# Altium PCB LimeSDR-Micro_1v0.PcbDoc (part 5 of 8) (continued)
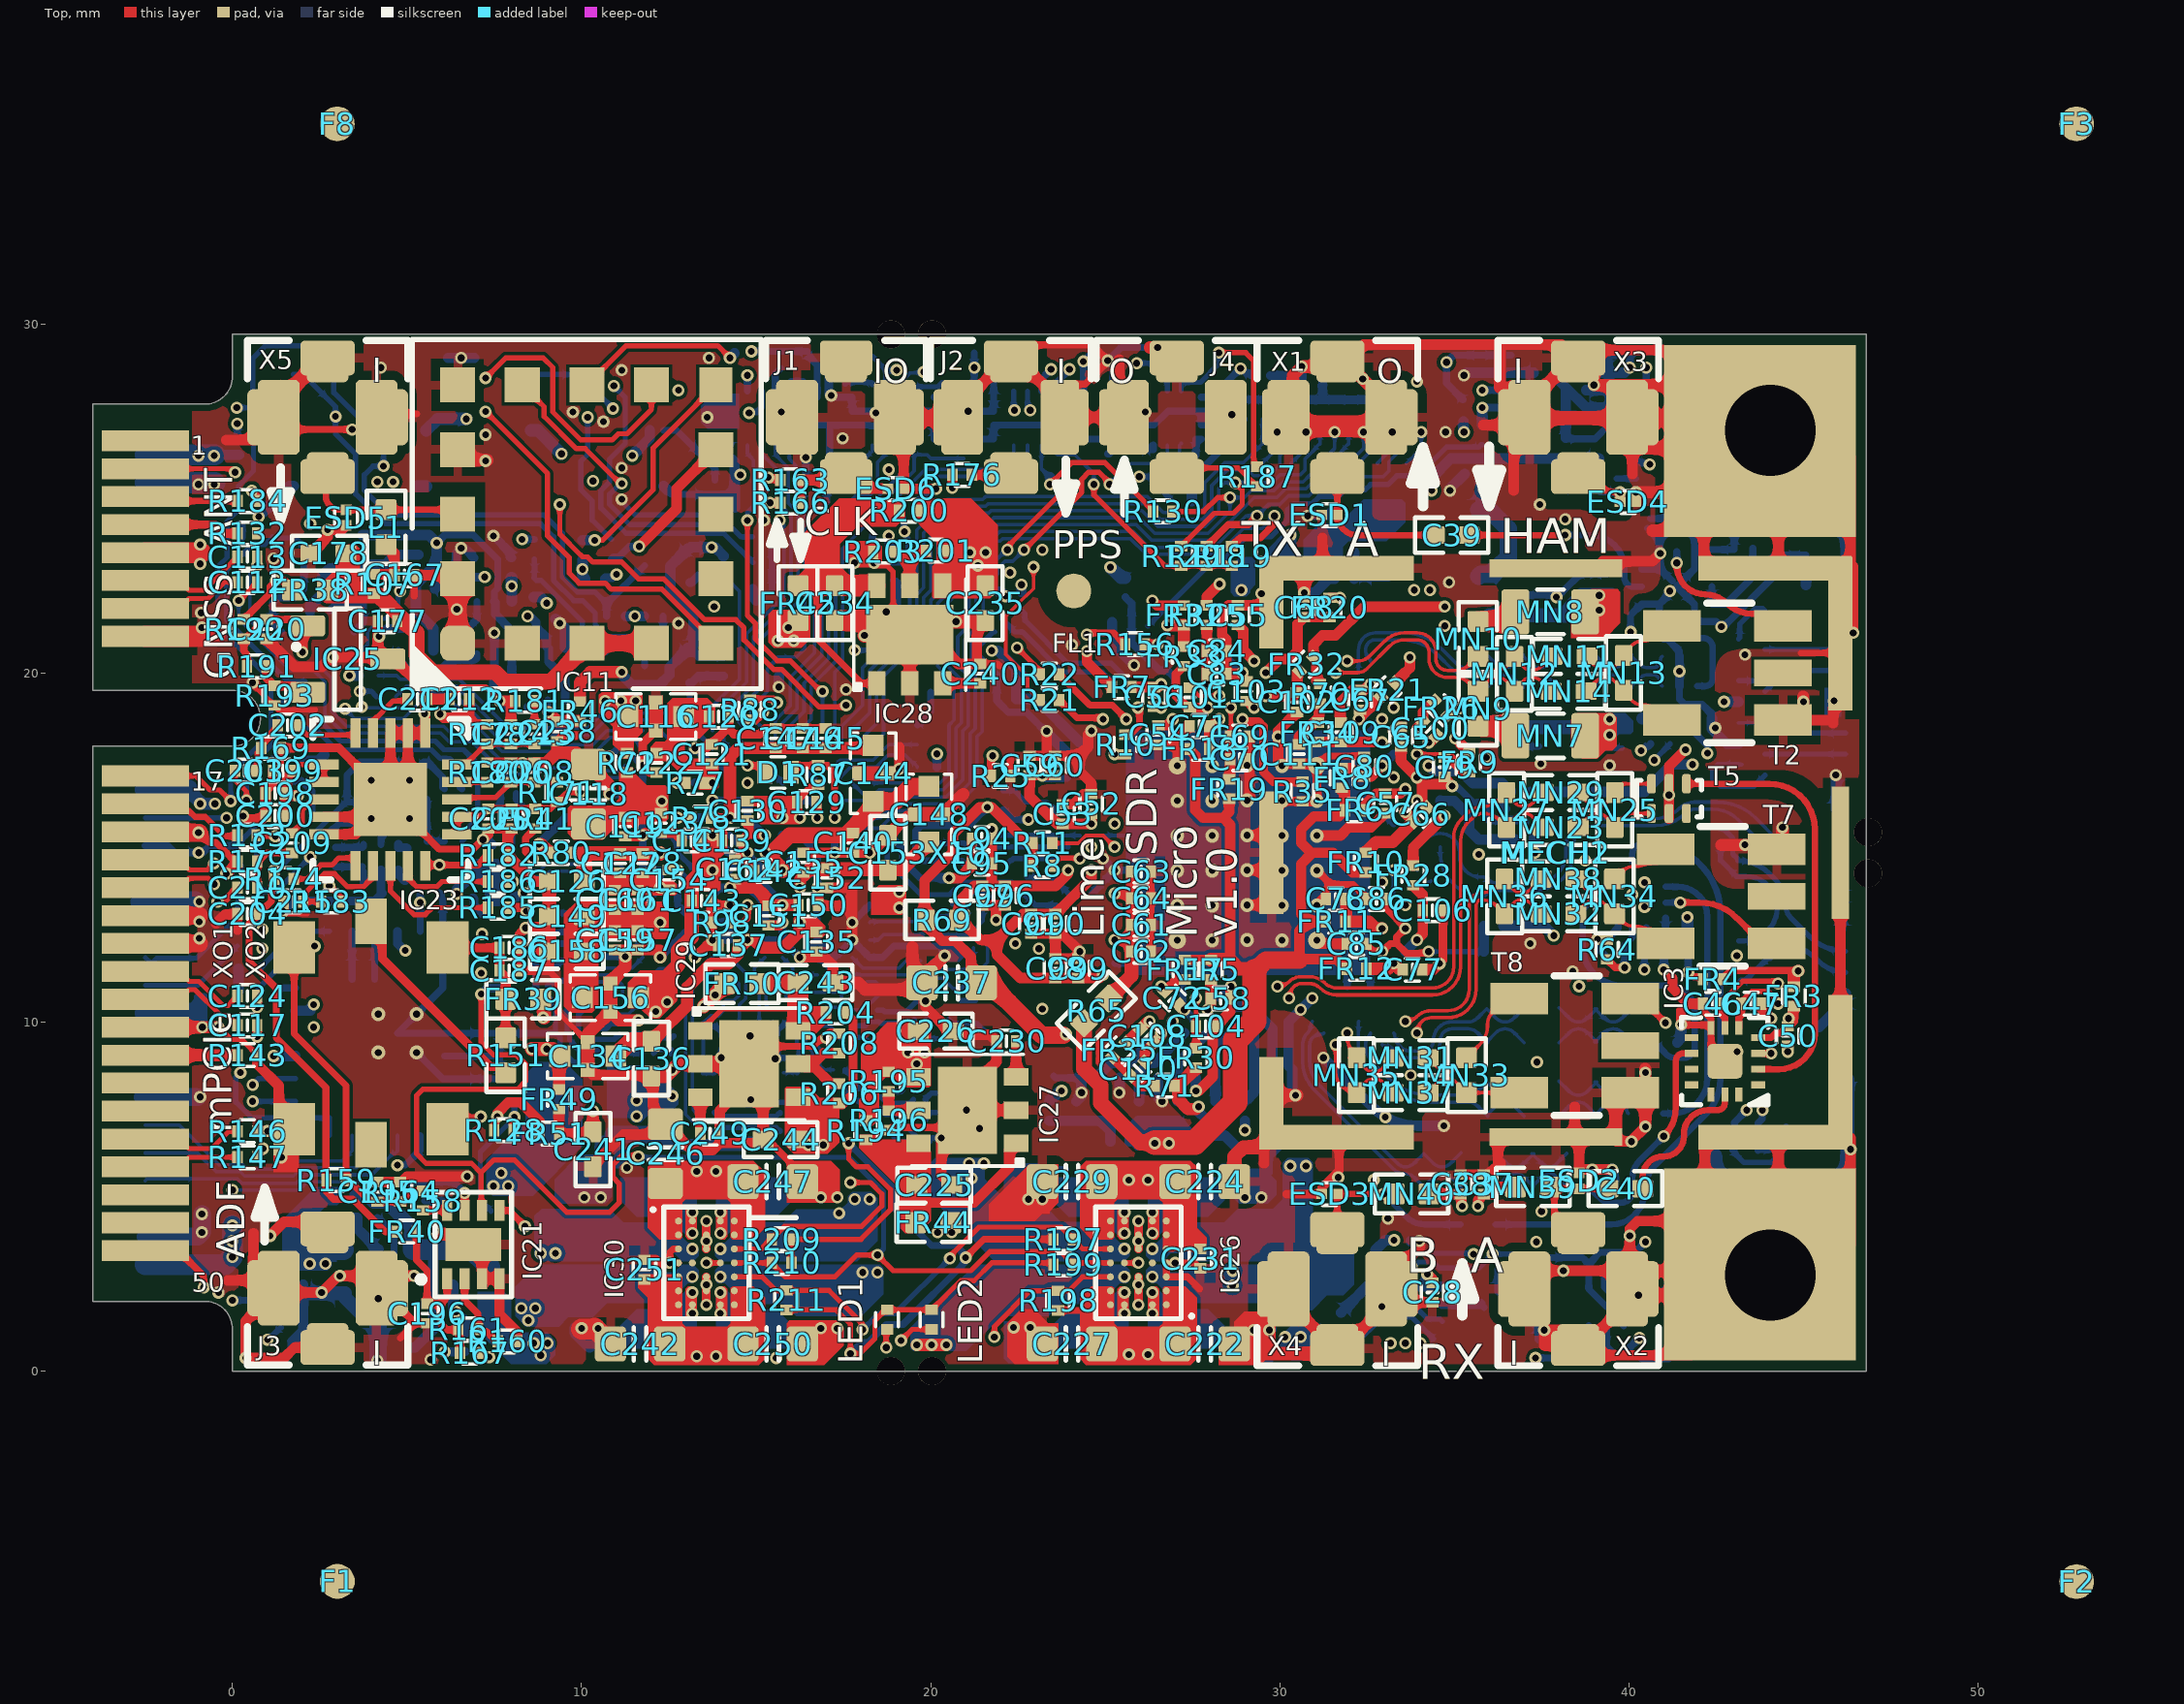
[diagram p0: Top view]
## Nets (pads, with @x,y where several pads share a name; then routed paths per layer and width w, separated by ;. In a path a pad name is that pad's centre, name@x,y a point inside that pad or via, vN(x,y) a via of type N, cw(c..) or ccw(c..) an arc to the next point about the centre after c; other vN are vias at no path point) (continued)
LA_TX_I_P: C1.2 C2.2 IC6.A7 R1.2 R2.1 | length 4
  Bottom w0.1: C2.2@13.835,8.55 13.81,8.525 R1.2@13.46,8.525 13.485,8.55 R2.1@13.485,9.9 13.51,9.925 13.51,9.99 13.698,10.177 13.919,10.177 14.065,10.322 14.065,10.54 14.138,10.613 14.355,10.613 14.5,10.758 14.5,11.101 IC6.A7@14.251,11.35
LA_TX_Q_N: C5.1 C6.1 IC6.B9 R18.1 R19.2 | length 4
  Bottom w0.1: IC6.B9@15.251,11.85 14.951,11.55 14.951,11.199 15.085,11.065 R18.1@15.085,9.975 15.085,9.925 15.11,9.9 15.11,9.835 15.15,9.795 15.15,9.375 15.035,9.26 C6.1@15.035,8.975 15.035,8.55 15.06,8.525 R19.2@15.085,8.525 15.11,8.55 C5.1@15.46,8.55
LA_TX_Q_P: C4.2 C5.2 IC6.A9 R14.2 R16.1 | length 3.9
  Bottom w0.1: IC6.A9@15.251,11.35 15.285,11.316 15.285,10.49 15.4,10.375 15.875,10.375 16.165,10.085 R16.1@16.165,9.975 16.165,9.385 16.215,9.335 C4.2@16.215,8.975 16.215,8.55 16.19,8.525 R14.2@16.165,8.525 16.14,8.55 C5.2@15.79,8.55
LED_WLAN#: IC15.19 X10.44 | length 7.6
  Bottom w0.1: X10.44@-2.5,6.25 -1.008,6.25 -0.469,5.711 0.217,5.711 0.342,5.586 1.746,5.586 1.984,5.825 3.55,5.825 3.95,6.225 3.961,6.225 4.075,6.339 IC15.19@4.075,6.75
LED_WPAN#: IC15.18 X10.46 | length 8.1
  Bottom w0.1: X10.46@-2.5,5.45 -2.438,5.511 0.135,5.511 0.26,5.386 1.828,5.386 2.067,5.625 3.99,5.625 4.59,6.225 4.65,6.225 4.725,6.3 IC15.18@4.725,6.75
LED_WWAN#: IC15.20 X10.42 | length 7.1
  Bottom w0.1: X10.42@-2.5,7.05 -1.525,7.05 -0.386,5.911 0.3,5.911 0.425,5.786 1.663,5.786 1.901,6.025 3.15,6.025 3.325,6.2 3.325,6.211 3.425,6.311 IC15.20@3.425,6.75
LMS_BB_DRV1A_N: C8.1 R27.2 | length 0.3
  Bottom w0.15: R27.2@11.405,9.65 C8.1@11.725,9.65
LMS_BB_DRV1A_P: C12.1 R33.2 | length 0.3
  Bottom w0.15: R33.2@11.405,9.1 C12.1@11.725,9.1
LMS_BB_DRV1AC_N: C9.1 C10.1 R27.1 R28.2 R29.1 | length 2.1
  Bottom w0.15: R28.2@10.125,10.42 9.915,10.21 C10.1@9.915,10 9.915,9.68 10.085,9.51 R29.1@10.25,9.51 10.935,9.51 11.043,9.618 11.075,9.618 R27.1@11.075,9.65
LMS_BB_DRV1AC_P: C10.2 C11.2 R32.2 R33.1 R34.2 | length 2.6
  Bottom w0.15: R34.2@9.585,10.42 C10.2@9.585,10 9.585,9.74 9.665,9.66 9.665,9.482 9.71,9.437 C11.2@9.71,9.405 9.71,9.372 9.742,9.372 9.925,9.19 R32.2@10.075,9.19 10.485,9.19 10.575,9.1 R33.1@11.075,9.1
LMS_BB_DRV1B_N: C13.1 R36.2 | length 0.3
  Bottom w0.15: R36.2@16.015,6.865 C13.1@16.335,6.865
LMS_BB_DRV1B_P: C17.1 R41.2 | length 0.3
  Bottom w0.15: R41.2@16.015,7.415 C17.1@16.335,7.415
LMS_BB_DRV1BC_N: C14.1 C15.1 R36.1 R37.2 R38.1 | length 2
  Bottom w0.15: R37.2@13.79,6.865 13.9,6.975 14.55,6.975 C14.1@14.725,6.975 R38.1@15.25,6.975 15.575,6.975 15.652,6.897 15.685,6.897 R36.1@15.685,6.865
LMS_BB_DRV1BC_P: C15.2 C16.2 R40.2 R41.1 R42.2 | length 2
  Bottom w0.15: R42.2@13.79,7.415 13.9,7.305 C15.2@14.15,7.305 C16.2@14.725,7.305 R40.2@15.275,7.305 15.575,7.305 15.652,7.382 15.685,7.382 R41.1@15.685,7.415
LMS_BB_DRV2A_N: C18.1 R43.2 | length 0.4
  Bottom w0.15: R43.2@19.84,7.785 20.015,7.96 C18.1@20.16,7.96
LMS_BB_DRV2A_P: C22.1 R48.2 | length 0.4
  Bottom w0.15: R48.2@19.84,7.235 20.015,7.41 C22.1@20.16,7.41
LMS_BB_DRV2AC_N: C19.1 C20.1 R43.1 R44.2 R45.1 | length 2.6
  Bottom w0.15: R44.2@17.54,8.635 17.54,8.603 17.572,8.603 17.905,8.27 17.905,8.09 C20.1@17.925,8.09 18.035,8.09 18.275,7.85 R45.1@18.375,7.85 18.575,7.85 18.75,7.675 C19.1@18.95,7.675 19.4,7.675 19.477,7.752 19.51,7.752 R43.1@19.51,7.785
LMS_BB_DRV2AC_P: C20.2 C21.2 R47.2 R48.1 R49.2 | length 2.4
  Bottom w0.15: R49.2@17.54,8.085 17.54,7.989 17.769,7.76 C20.2@17.925,7.76 18.165,7.52 R47.2@18.375,7.52 18.53,7.52 18.705,7.345 C21.2@18.95,7.345 19.4,7.345 19.477,7.267 19.51,7.267 R48.1@19.51,7.235
LMS_BB_DRV2B_N: C23.1 R50.2 | length 0.3
  Bottom w0.15: R50.2@19.865,9.525 C23.1@20.185,9.525
LMS_BB_DRV2B_P: C27.1 R57.2 | length 0.3
  Bottom w0.15: R57.2@19.865,10.075 C27.1@20.185,10.075
LMS_BB_DRV2BC_N: C24.1 C25.1 R50.1 R51.2 R52.1 | length 2
  Bottom w0.15: R51.2@17.74,9.45 17.85,9.56 C25.1@18.1,9.56 18.22,9.44 R52.1@18.475,9.44 18.507,9.44 18.703,9.635 C24.1@18.988,9.635 19.425,9.635 19.503,9.557 19.535,9.557 R50.1@19.535,9.525
LMS_BB_DRV2BC_P: C25.2 C26.2 R56.2 R57.1 R58.2 | length 2
  Bottom w0.15: R58.2@17.74,10 17.85,9.89 C25.2@18.1,9.89 18.133,9.89 18.133,9.922 18.22,10.01 R56.2@18.475,10.01 18.507,10.01 18.553,9.965 C26.2@18.988,9.965 19.425,9.965 19.503,10.042 19.535,10.042 R57.1@19.535,10.075
LMS_CLK: IC1.AM24 IC1.E5 R156.2 | length 23.8
  Top w0.25: R156.2@26.13,20.825 v1(26.505,20.825)
  L3 w0.1: 25.519,18.081 25.925,17.675 cw(c24.476,16.226) 26.525,16.226 26.525,12.208 ccw(c27.208,12.208) 26.725,11.725 cw(c26.217,11.217) 26.935,11.217 v1(26.935,10.017) ; 25.519,18.081 cw(c26.138,18.7) 25.262,18.7 25.262,18.997 ccw(c24.235,18.997) 24.235,20.025 cw(c24.235,20.535) 23.725,20.535 23.725,21.15 cw(c24.25,21.15) 24.25,21.675 24.9,21.675 cw(c24.9,21.25) 25.325,21.25 25.325,21.2 ccw(c25.7,21.2) 25.7,20.825 v1(26.505,20.825) v1@26.53,20.825
  L6 w0.1: v1@26.53,20.825 cw(c26.53,18.483) 28.186,20.139 28.475,19.85 ccw(c28.88,20.255) 28.88,19.682 29.988,19.682 cw(c29.988,18.463) 30.85,19.325 ccw(c31.615,20.09) 31.615,19.008 v1(33.263,19.008)
LMS_CORE_LDO_EN: IC1.U33 R13.1 R15.2 | length 3.9
  Bottom w0.15: R15.2@20.075,15.125 20.945,15.125 R13.1@20.95,15.12 21.058,15.012 23.443,15.012 23.46,15.029 23.921,15.029 IC1.U33@23.938,15.012
LMS_I2C_SCL: IC1.C27 IC2.6 R26.2 R54.1 | length 38.3
  L4 w0.1: v1(22.425,12.25) 22.625,12.05 22.625,9.55 23.5,8.675 24.167,8.675 24.775,8.067 24.775,7.792 25.167,7.4 26.175,7.4 26.4,7.175 26.662,7.175 27.2,6.637 27.2,5.617 27.625,5.192 27.625,1.917 28.067,1.475 29.108,1.475 30.608,2.975 33.9,2.975 34.075,3.15 34.725,3.15 34.9,2.975 35.717,2.975 v1(36.1,3.358)
  L6 w0.1: v1(22.425,12.25) 22.425,14.175 23.775,15.525 23.775,16 24.6,16.825 24.6,17.725 25.262,18.387 25.262,19 v2(25.936,19.674)
  Bottom w0.15: R54.1@33.844,1.864 33.5,2.208 33.5,2.652 33.973,3.125 34.395,3.125 34.57,2.95 35.7,2.95 36,3.25 36,3.358 36.008,3.35 37.12,3.35 37.195,3.275 R26.2@37.195,3.25 ; R54.1@33.85,1.87 34.226,1.494 34.581,1.494 IC2.6@34.65,1.425
LMS_I2C_SDA: IC1.D26 IC2.5 R30.2 R53.1 | length 49.8
  L4 w0.1: v1(23.1,12.1) 22.825,11.825 22.825,9.633 23.583,8.875 24.25,8.875 24.975,8.15 24.975,7.875 25.25,7.6 26.258,7.6 26.483,7.375 26.745,7.375 27.4,6.72 27.4,5.7 27.825,5.275 27.825,2 28.15,1.675 29.025,1.675 30.525,3.175 33.8,3.175 33.975,3.35 v1(35.55,3.35)
  L6 w0.1: v1(23.1,12.1) 23.1,14.167 24.275,15.342 24.275,15.808 26.269,17.803 v2(26.269,19.341) 26.269,20.356 26,20.625 26,21.125 v2(26.225,21.35)
  Bottom w0.15: v2(26.225,21.35) 26.6,21.725 28.05,23.175 28.318,23.175 29.043,23.9 29.745,23.9 30.225,24.38 30.225,24.675 30.4,24.85 30.93,24.85 31.13,25.05 31.668,25.05 31.868,25.25 32.45,25.25 32.6,25.4 33.1,25.4 33.35,25.65 33.95,25.65 34.77,26.47 35.7,26.47 35.775,26.545 R30.2@35.8,26.545 ; R53.1@33.305,3.075 R53.1@33.305,3.069 ; IC2.5@34.4,0.925 33.78,1.545 33.603,1.545 33.5,1.648 33.5,1.854 33.15,2.204 33.15,2.908 33.305,3.063 R53.1@33.305,3.069 ; v1@35.525,3.375 33.611,3.375 R53.1@33.305,3.069
LMS_MCLK1: IC1.AB34 IC7.5 R7.1 R75.1 R81.1 | length 43.5
  L6 w0.1: v2(2.175,19.75) 2.475,19.45 2.475,17.96 2.3,17.785 2.3,17.36 1.55,16.61 1.55,16.34 1.74,16.15 2.324,16.15 3.749,17.575 5.35,17.575 6.475,16.45 6.475,15.958 6.85,15.583 6.85,15.09 7.505,14.435 7.505,13.628 7.8,13.333 7.8,12.075 9.1,10.775 9.37,10.775 10.875,12.28 10.875,13.075 11.525,13.725 11.525,14.584 12.416,15.475 12.9,15.475 13.375,15.95 13.811,15.95 14.036,16.175 14.401,16.175 14.476,16.1 15.152,16.1 15.527,16.475 17.125,16.475 v2(18.75,14.85)
  Bottom w0.15: R75.1@2.05,23.605 2.025,23.605 1.95,23.68 1.95,23.705 1.787,23.868 1.182,23.868 IC7.5@1.15,23.9 0.933,23.683 0.575,23.683 0.231,23.339 0.223,23.339 -0.175,22.94 -0.175,21.525 1.6,19.75 v2@2.075,19.75 ; v2(18.75,14.85) 18.75,14.625 19.725,13.65 20.545,13.65 20.895,14 22.328,14 22.738,13.59 R7.1@22.75,13.59 22.993,13.347 IC1.AB34@23.605,13.347
LMS_RESET: IC1.E27 IC15.17 R10.1 | length 31.2
  Top w0.2: R10.1@25.575,18.23 25.625,18.28 25.755,18.28 25.978,18.503 25.978,18.86 25.965,18.873 25.965,18.979 v1(25.936,19.008)
  L6 w0.1: v1(4.725,5.9) 4.975,6.15 10.275,6.15 11.075,6.95 11.7,6.95 12.275,7.525 12.75,7.525 13.3,8.075 13.3,8.3 13.575,8.575 14.7,8.575 15.425,9.3 15.875,9.3 16.45,9.875 17.55,9.875 18.525,10.85 18.539,10.85 18.549,10.86 19.085,10.86 19.125,10.9 19.55,11.325 19.7,11.475 20.45,11.475 20.775,11.8 21.425,11.8 21.55,11.925 22.56,11.925 22.775,12.14 22.775,14.125 24.075,15.425 24.075,15.891 25.936,17.753 v1(25.936,19.008)
  Bottom w0.2: v1(4.725,5.9) 4.95,5.9 5.375,6.325 IC15.17@5.375,6.75
LMS_RX1_BB_I_N: C8.2 IC1.AB2 R31.1 | length 43.3
  L4 w0.1: v1(34.3,22.375) 34.3,21.233 34.675,20.858 34.675,18.935 35.35,18.26 35.35,17.689 34.55,16.889 34.55,16.216 34.4,16.066 34.4,15.734 35.334,14.8 v1(35.7,14.8)
  L6 w0.1: v2(12.65,9.6) 12.925,9.875 13.975,9.875 14.706,10.606 16.749,10.606 17.967,11.825 ; 17.968,11.825 18.276,12.133 ; 18.276,12.134 18.592,12.45 19.117,12.45 19.675,13.008 19.675,16.358 20.825,17.508 20.825,18.133 23.075,20.383 23.075,21.083 23.275,21.283 24.292,22.3 24.975,22.3 25.07,22.395 ; 25.07,22.396 25.874,23.2 27.064,23.2 28.314,21.95 30.81,21.95 31.05,22.19 31.05,22.425 31.325,22.7 34,22.7 v1@34.3,22.4 ; v2(34.262,13.347) 34.864,13.95 35.3,13.95 35.7,14.35 v1(35.7,14.8)
  Bottom w0.15: C8.2@12.055,9.65 12.055,9.618 12.088,9.618 12.165,9.54 R31.1@12.44,9.54 12.59,9.54 v2(12.65,9.6) v2@12.63,9.6
LMS_RX1_BB_I_P: C12.2 IC1.Y6 R31.2 | length 43.2
  L4 w0.1: v1(32.93,14.013) 32.938,14.021 33.596,14.021 33.775,14.2 33.775,14.45 33.275,14.95 33.275,15.224 34.325,16.274 34.325,16.947 34.65,17.272 34.65,18.649 34.475,18.824 34.475,20.775 33.5,21.75 33.5,22.025 v1(33.85,22.375)
  L6 w0.1: v2(12.65,9.125) 12.696,9.125 13.246,9.675 14.058,9.675 14.789,10.406 16.831,10.406 18.05,11.625 ; 18.051,11.625 18.476,12.05 ; 18.476,12.051 18.675,12.25 19.2,12.25 19.875,12.925 19.875,16.275 21.025,17.425 21.025,18.05 23.275,20.3 23.275,21 24.375,22.1 24.989,22.1 25.058,22.1 25.27,22.312 ; 25.27,22.313 25.957,23 26.981,23 28.231,21.75 31.075,21.75 31.25,21.925 31.25,22.342 31.408,22.5 31.987,22.5 32.187,22.3 32.187,21.863 32.3,21.75 32.8,21.75 32.946,21.896 32.946,22.3 33.146,22.5 33.725,22.5 v1(33.85,22.375)
  Bottom w0.15: C12.2@12.055,9.1 12.055,9.133 12.088,9.133 12.165,9.21 R31.2@12.44,9.21 12.565,9.21 v2(12.65,9.125) 12.596,9.125 v2@12.556,9.085
LMS_RX1_BB_Q_N: C13.2 IC1.AA5 R39.1 | length 43.9
  L6 w0.1: v2(17.275,6.875) 17.125,7.025 15.6,7.025 15.37,6.795 15.119,6.795 14.974,6.65 14.761,6.65 14.616,6.795 14.365,6.795 13.61,7.55 13.35,7.55 12.8,7 12.375,7 12.155,6.78 12.155,5.91 12.285,5.78 12.515,5.78 13.37,6.635 13.83,6.635 14.785,5.68 15.011,5.68 15.156,5.825 15.319,5.825 15.464,5.68 15.69,5.68 16.018,6.007 17.218,6.007 17.36,6.15 17.984,6.15 18.259,6.425 19.4,6.425 19.545,6.57 19.545,7.415 19.44,7.52 18.93,7.52 18.65,7.8 17.95,7.8 17.595,8.155 17.595,8.485 18.965,9.855 20.197,9.855 20.731,10.389 20.939,10.389 21.119,10.569 21.615,10.569 21.966,10.92 24.33,10.92 24.75,10.5 25.017,10.5 25.275,10.758 25.275,11.833 25.872,12.43 26.115,12.43 26.64,12.955 27.315,12.955 27.445,13.085 27.445,13.462 27.2,13.707 27.2,13.973 27.452,14.225 27.677,14.225 27.922,13.98 28.235,13.98 28.68,13.535 28.68,13.163 28.913,12.93 29.172,12.93 29.495,13.253 29.495,13.61 29.84,13.955 30.36,13.955 30.68,13.635 30.68,13.155 30.89,12.945 31.18,12.945 31.47,13.235 31.47,13.56 31.618,13.707 31.855,13.945 31.855,14.23 32.525,14.9 32.975,14.9 33.263,14.612 v1(33.263,14.346)
  Bottom w0.11: IC1.AA5@33.263,13.68 v1(33.263,14.346)
  Bottom w0.15: C13.2@16.665,6.865 16.665,6.897 16.697,6.897 16.775,6.975 R39.1@17.025,6.975 17.175,6.975 v2(17.275,6.875)
LMS_RX1_BB_Q_P: C17.2 IC1.AB4 R39.2 | length 43.9
  L6 w0.1: v2(17.275,7.405) 17.266,7.405 17.091,7.23 15.515,7.23 15.285,7 14.45,7 13.695,7.755 13.265,7.755 12.715,7.205 12.29,7.205 11.95,6.865 11.95,5.825 12.2,5.575 12.6,5.575 13.455,6.43 13.745,6.43 14.7,5.475 15.775,5.475 16.102,5.802 17.302,5.802 17.445,5.945 18.062,5.945 18.342,6.225 19.49,6.225 19.75,6.485 19.75,7.5 19.525,7.725 19.008,7.725 18.733,8 18.04,8 17.8,8.24 17.8,8.4 19.05,9.65 20.292,9.65 20.826,10.184 21.034,10.184 21.214,10.364 21.7,10.364 22.051,10.715 24.235,10.715 24.65,10.3 25.1,10.3 25.475,10.675 25.475,11.75 25.95,12.225 26.2,12.225 26.725,12.75 27.4,12.75 27.65,13 27.65,13.5 27.85,13.7 28.225,13.7 28.475,13.45 28.475,13.085 28.835,12.725 29.25,12.725 29.7,13.175 29.7,13.525 29.925,13.75 30.275,13.75 30.475,13.55 30.475,13.07 30.805,12.74 31.265,12.74 31.675,13.15 31.675,13.475 31.888,13.688 33.088,13.688 33.625,14.225 33.875,14.225 34.075,14.025 34.075,13.827 v1(33.596,13.347)
  Bottom w0.15: C17.2@16.665,7.415 16.665,7.382 16.697,7.382 16.775,7.305 R39.2@17.025,7.305 17.175,7.305 v2(17.275,7.405)
LMS_RX2_BB_I_N: C18.2 IC1.AC3 R46.1 | length 25.4
  L6 w0.1: v2(21.5,8.275) 21.35,8.125 20.767,8.125 20.5,7.858 20.5,7.1 21.175,6.425 21.625,6.425 23.55,8.35 27.742,8.35 28.2,7.892 28.2,6.675 28.65,6.225 29.85,6.225 32.85,9.225 32.85,10.242 33.708,11.1 34.75,11.1 35.1,11.45 35.1,12.3 34.587,12.813 34.587,12.816 34.396,13.006 34.394,13.006 34.386,13.014 v2(33.929,13.014)
  Bottom w0.15: C18.2@20.49,7.96 20.49,7.992 20.672,8.175 R46.1@21,8.175 21.4,8.175 v2(21.5,8.275)
LMS_RX2_BB_I_P: C22.2 IC1.AD2 R46.2 | length 25.4
  L6 w0.1: v2(21.5,7.745) 21.32,7.925 20.85,7.925 20.7,7.775 20.7,7.183 21.258,6.625 21.542,6.625 22.8,7.883 22.8,8.375 22.975,8.55 28.375,8.55 28.525,8.4 28.525,7.925 28.4,7.8 28.4,7.475 28.525,7.35 28.525,7.125 28.4,7 28.4,6.758 28.733,6.425 29.767,6.425 30.117,6.775 32.65,9.308 32.65,10.325 33.588,11.263 33.588,11.738 33.7,11.85 33.925,11.85 34.475,11.3 34.667,11.3 34.9,11.533 34.9,12.217 34.702,12.415 34.527,12.415 v2(34.262,12.681)
  Bottom w0.15: C22.2@20.49,7.41 20.49,7.442 20.498,7.442 20.9,7.845 R46.2@21,7.845 21.4,7.845 v2(21.5,7.745)
LMS_RX2_BB_Q_N: C23.2 IC1.AB6 R55.1 | length 25.3
  L6 w0.1: v2(21.175,9.61) 21.49,9.925 21.875,9.925 22.125,10.175 22.375,10.175 22.8,9.75 23.233,9.75 23.933,10.45 24.133,10.45 24.583,10 25.442,10 25.725,10.283 25.725,11.083 26.037,11.395 26.037,11.695 26.292,11.95 26.658,11.95 27.008,11.6 27.267,11.6 27.475,11.808 27.475,12.533 27.867,12.925 28.308,12.925 28.675,12.558 28.675,11.925 28.675,11.867 28.275,11.467 28.275,10.85 28.463,10.662 28.707,10.662 28.975,10.931 28.975,11.458 29.415,11.897 29.415,12.465 29.515,12.565 29.515,12.568 29.837,12.89 30.372,12.89 30.665,12.598 30.665,12.174 30.939,11.9 31.358,11.9 31.625,11.633 31.625,10.725 31.8,10.55 32.275,10.55 32.55,10.825 32.55,11.6 31.675,12.475 31.675,12.833 32.189,13.347 v2(32.93,13.347)
  Bottom w0.15: C23.2@20.515,9.525 20.625,9.635 R55.1@20.9,9.635 v2@21.175,9.635
LMS_RX2_BB_Q_P: C27.2 IC1.AC5 R55.2 | length 25.4
  L6 w0.1: v2(21.675,9.6) 21.95,9.6 22.2,9.85 22.417,9.85 22.717,9.55 23.315,9.55 23.89,10.125 24.175,10.125 24.5,9.8 25.525,9.8 25.925,10.2 25.925,11 26.237,11.312 26.237,11.612 26.375,11.75 26.575,11.75 26.925,11.4 27.35,11.4 27.675,11.725 27.675,12.45 27.95,12.725 28.225,12.725 28.475,12.475 28.475,11.95 28.075,11.55 28.075,10.767 28.38,10.462 28.789,10.462 29.175,10.848 29.175,11.375 29.625,11.825 29.625,12.392 29.715,12.482 29.715,12.485 29.92,12.69 30.209,12.69 30.465,12.435 30.465,12.091 30.856,11.7 31.275,11.7 31.425,11.55 31.425,10.642 31.717,10.35 32.358,10.35 32.75,10.742 32.75,11.683 31.875,12.558 31.875,12.75 32.139,13.014 v2(33.263,13.014)
  Bottom w0.15: C27.2@20.515,10.075 20.625,9.965 R55.2@20.9,9.965 21.315,9.965 21.675,9.605 v2(21.675,9.6)
LMS_RXEN: IC1.V34 R12.1 | length 1.5
  Bottom w0.15: R12.1@22.205,14.525 22.205,14.55 22.28,14.625 22.314,14.625 22.368,14.679 IC1.V34@23.605,14.679
LMS_TX1_BB_I_N: IC1.R5 R5.1 | length 27.3
  L6 w0.1: v2(14.353,8.183) 14.353,7.76 14.663,7.45 15.017,7.45 15.367,7.8 15.519,7.8 15.524,7.805 16.342,7.805 18.797,10.26 20.029,10.26 20.563,10.794 20.736,10.794 20.917,10.975 21.449,10.975 21.799,11.325 24.117,11.325 24.675,11.883 24.675,12.5 25.13,12.955 25.797,12.955 26.4,13.558 26.4,14.75 26.625,14.975 28.55,14.975 28.7,14.825 28.7,14.158 28.908,13.95 29.217,13.95 29.475,14.208 29.475,14.775 29.65,14.95 30.475,14.95 30.615,14.81 30.615,14.293 30.933,13.975 31.217,13.975 31.45,14.208 31.45,14.95 32.503,16.003 v2(32.938,16.003)
  Bottom w0.2: v2(32.938,16.003) IC1.R5@33.263,15.678
LMS_TX1_BB_I_P: IC1.T4 R1.1 | length 27.3
  L6 w0.1: v2(13.648,8.183) 14.58,7.25 15.1,7.25 15.45,7.6 15.602,7.6 15.607,7.605 16.425,7.605 18.88,10.06 20.112,10.06 20.646,10.594 20.819,10.594 21,10.775 21.531,10.775 21.881,11.125 24.2,11.125 24.25,11.175 24.875,11.8 24.875,12.417 25.213,12.755 25.88,12.755 26.6,13.475 26.6,14.371 27.004,14.775 28.142,14.775 28.5,14.417 28.5,14.075 28.825,13.75 29.3,13.75 29.675,14.125 29.675,14.475 29.95,14.75 30.25,14.75 30.415,14.585 30.415,14.21 30.85,13.775 31.3,13.775 31.65,14.125 31.65,14.55 32.778,15.678 33.186,15.678 33.496,15.369 v2@33.572,15.369
  other v2: 33.596,15.345
LMS_TX1_BB_Q_N: IC1.P2 R19.1 | length 27.3
  L6 w0.1: v2(15.272,8.183) 15.28,8.19 15.525,8.19 16.485,9.15 17.122,9.15 18.632,10.66 19.168,10.66 19.325,10.817 19.633,11.125 19.733,11.225 20.542,11.225 20.742,11.425 21.333,11.425 21.633,11.725 23.317,11.725 23.675,12.083 23.675,12.3 24.73,13.355 25.569,13.355 25.85,13.636 25.85,15.158 26.642,15.95 30.18,15.95 30.93,16.7 31.15,16.7 32.118,17.668 33.048,17.668 33.588,18.207 33.588,18.461 33.794,18.667 34.063,18.667 34.587,18.144 34.587,17.208 34.262,16.883 v2(34.262,16.011)
LMS_TX1_BB_Q_P: IC1.R3 R14.1 | length 27.3
  L6 w0.1: v2(15.977,8.183) 16.135,8.025 16.279,8.025 16.534,8.28 16.534,8.739 16.72,8.925 17.179,8.925 18.714,10.46 19.251,10.46 19.525,10.734 ; 19.525,10.735 19.715,10.925 19.816,11.025 20.625,11.025 20.825,11.225 21.416,11.225 21.716,11.525 23.775,11.525 23.875,11.625 23.875,12.217 24.109,12.452 24.329,12.452 24.578,12.701 24.578,12.921 24.813,13.155 25.652,13.155 25.747,13.25 26.05,13.553 26.05,15.075 26.219,15.244 26.444,15.244 26.556,15.356 26.556,15.581 26.725,15.75 27.149,15.75 27.424,15.475 27.7,15.475 27.975,15.75 28.2,15.75 28.475,15.475 28.671,15.475 28.946,15.75 29.159,15.75 29.434,15.475 29.705,15.475 29.98,15.75 30.149,15.75 30.45,15.45 ; 30.45,15.45 30.68,15.45 30.98,15.75 31.25,15.75 31.525,15.475 31.692,15.475 32.159,15.941 32.159,16.166 31.675,16.65 31.675,16.9 32.175,17.4 32.4,17.4 32.575,17.225 32.575,16.975 32.84,16.71 33.09,16.71 33.271,16.529 33.271,15.876 33.461,15.686 33.921,15.686 v2(33.929,15.678)
LMS_TX2_BB_I_N: IC1.T6 R6.1 X8.3 | length 16.9
  L6 w0.1: v2(32.93,15.345) 33.255,15.02 33.82,15.02 34.35,15.55 34.992,15.55 35.442,16 37.683,16 38.458,15.225 39.125,15.225 39.725,14.625 v2(43.125,14.625) v2@43.15,14.625
  Bottom w0.15: R6.1@42.625,15.605 42.7,15.53 42.712,15.53 42.975,15.267 42.975,15.2 42.975,14.813 43.125,14.663 v2(43.125,14.625) cw(c43.125,13.358) 44.021,14.254 44.182,14.093 cw(c43.414,13.325) 44.5,13.325 ccw(c44.983,13.325) 44.642,12.983 45.17,12.455 ccw(c46.207,13.492) X8.3@46.207,12.025
LMS_TX2_BB_I_P: IC1.V2 R6.2 X8.2 | length 16.6
  L6 w0.1: v2(34.262,14.679) 34.262,15.179 34.433,15.35 34.675,15.35 34.817,15.208 34.817,14.458 34.95,14.325 35.2,14.325 35.35,14.475 35.35,15.575 35.575,15.8 37.6,15.8 38.375,15.025 39.042,15.025 39.642,14.425 42.575,14.425 42.825,14.175 v2(43.125,14.175)
  Bottom w0.15: R6.2@42.625,15.045 42.625,14.63 43.08,14.175 v2(43.125,14.175) 43.35,14.175 cw(c43.35,13.275) 44.25,13.275 cw(c43.3,13.275) 43.3,12.325 X8.2@43.142,12.325
LMS_TX2_BB_Q_N: IC1.U1 R9.2 X8.6 | length 16.4
  L6 w0.1: v2@43.975,11.9 v2@44.025,11.85 ; v2@44.025,14.95 v2@44.025,11.85 ; v2(44.05,11.825) v2@44.025,11.85
  Bottom w0.1: IC1.U1@34.595,15.012 34.595,14.85 ccw(c35.85,14.85) R9.2@35.85,13.595 cw(c36.285,13.16) 36.285,13.775 37.325,13.775 ccw(c37.325,14.85) 38.4,14.85 38.4,15 cw(c39.025,15) 39.025,15.625 40.766,15.625 ccw(c40.766,16.809) 41.603,15.972 cw(c41.912,15.663) 41.912,16.1 42.4,16.1 cw(c42.4,15.074) 43.126,15.799 v2(43.975,14.95)
  Bottom w0.15: X8.6@43.142,11.125 43.217,11.2 43.35,11.2 v2@43.922,11.772 ; v2@43.922,11.772 cw(c44.05,11.644) v2(44.05,11.825)
LMS_TX2_BB_Q_P: IC1.U3 R9.1 X8.5 | length 18
  L6 w0.1: v2@44.4,12.225 v2(44.4,14.8) v2@44.475,14.725
  Bottom w0.1: IC1.U3@33.929,15.012 34.116,15.2 cw(c34.6,14.716) 34.6,15.4 cw(c34.6,14.85) 35.15,14.85 35.15,14.75 ccw(c35.745,14.75) 35.745,14.155 R9.1@35.85,14.155 ccw(c36.285,14.59) 36.285,13.975 37.325,13.975 ccw(c37.325,14.85) 38.2,14.85 38.2,15 cw(c39.025,15) 39.025,15.825 40.726,15.825 ccw(c40.726,16.849) 41.45,16.125 cw(c41.872,15.703) 41.872,16.3 42.525,16.3 cw(c42.525,14.731) 43.635,15.84 44.234,15.241 cw(c43.892,14.9) v2@44.375,14.9
  Bottom w0.15: v2(44.376,12.225) cw(c44.376,10.84) 45.356,11.819 45.427,11.748 ccw(c46.207,12.529) X8.5@46.207,11.425
LMS_TXEN: IC1.U29 R11.1 | length 2
  Top w0.11: R11.1@23.48,15.15 R11.1@23.48,15.125 24.225,15.125 24.448,15.348 24.934,15.348 v1(25.27,15.012)
MCP_RESET: C180.1 IC15.14 R128.2 | length 4
  Top w0.2: v1@8,7.225 8.028,7.198 8.028,6.927 R128.2@8.055,6.9
  Bottom w0.15: C180.1@7.405,4.575 7.405,4.6 7.33,4.675 7.317,4.675 7.1,4.892 7.1,6.28 8.075,7.255 IC15.14@8.075,7.675
  other v1: 8.075,7.275
NetC7_2: C7.2 IC1.C29 R20.1 | length 4.3
  Bottom w0.15: R20.1@21.95,21.77 21.975,21.77 22.05,21.695 22.05,21.542 22.405,21.187 C7.2@22.405,21.175 22.63,21.175 23.78,20.025 24.92,20.025 IC1.C29@25.27,19.674
NetC39_2: C39.2 IC5.2 | length 5.9
  Top w0.18: C39.2@35.425,23.95 v1(38.175,23.95)
  Bottom w0.18: v1(38.175,23.95) 38.897,23.95 cw(c38.897,22.972) 39.875,22.972 39.875,22.725 ccw(c40.125,22.725) 40.125,22.475 IC5.2@40.375,22.475
NetC40_2: C40.2 IC3.13 | length 4.2
  Top w0.18: C40.2@40.4,5.225 40.4,5.575 cw(c40.975,5.575) 40.975,6.15 41,6.15 ccw(c41,6.725) 41.575,6.725 41.575,6.787 cw(c42.262,6.787) 42.262,7.475 42.538,7.475 ccw(c42.538,7.687) 42.75,7.687 IC3.13@42.75,7.922
NetC41_2: C41.2 IC4.13 | length 17.6
  Bottom w0.18: C41.2@36.177,4.2 39.5,4.2 ccw(c39.5,5.15) 40.392,4.822 ccw(c39.5,5.15) 40.45,5.15 cw(c41.536,5.15) 40.768,5.918 42.2,7.35 ccw(c41.176,8.375) 42.625,8.375 42.625,13.11 ccw(c40.635,13.11) 40.635,15.1 40.375,15.1 ccw(c40.375,14.825) 40.1,14.825 IC4.13@40.1,14.603
NetC42_1: C42.1 FR1.1 MN41.2 | length 7.8
  L6 w0.3: v1(34.35,25.225) 34.35,25.55 35.275,26.475 v1(35.275,26.9)
  Bottom w0.3: v1(34.35,25.225) 34.35,25.59 34.905,26.145 35.521,26.145 C42.1@38.165,26.145 MN41.2@39.145,26.145 ; FR1.1@35.265,27.205 35.265,26.91 v1(35.275,26.9)
NetC45_1: C45.1 FR2.2 IC5.8 IC5.9 | length 3.8
  Bottom w0.2: IC5.8@42.375,22.475 IC5.9@42.375,21.975 42.775,21.975 44.18,23.38 C45.1@44.425,23.38 45.065,23.38 FR2.2@45.07,23.375
NetC52_1: C52.1 C53.1 C59.1 C60.1 C61.1 C62.1 C63.1 C64.1 IC1.AA29 IC1.AE29 IC1.L33 IC1.R31 R65.2 | length 13.4
  Top w0.3: C60.1@23.564,17.069 C59.1@22.83,17.069 22.83,16.468 23.62,15.678 v1(24.604,15.678) C52.1@24.604,15.97 ; v1(25.27,13.68) 25.747,13.68 C63.1@25.747,14.31 ; v1@25.299,12.338 25.294,12.338 25.28,12.352 25.28,12.358 25.747,12.358 C61.1@25.747,12.785 C64.1@25.747,13.54
  Top w0.4: R65.2@25.1,10.675 25.747,11.322 C62.1@25.747,12.015 25.747,12.358
  L3 w0.3: v1(24.604,15.678) 25.029,16.103 25.447,16.103 25.942,15.607 25.942,13.992 25.63,13.68 v1(25.27,13.68)
  Bottom w0.2: v1(23.197,17.065) 23.294,16.968 23.79,16.968 23.804,16.981 23.91,16.981 IC1.L33@23.938,17.01
  other v1: 25.27,12.348
NetC54_1: C54.1 C55.1 C56.1 FR7.1 IC1.A17 IC1.C25 IC1.F24 | length 6.8
  Top w0.3: FR7.1@25.752,19.595 C56.1@26.397,19.595 26.51,19.595 26.589,19.674 v1(26.602,19.674) ; C54.1@26.524,18.501 26.774,18.501 26.935,18.662 v1(26.935,18.675) ; C55.1@28.8,21.375 28.95,21.225 28.95,20.657 v1(29.266,20.34)
  L4 w0.35: v1(26.602,19.674) 27.125,19.674 ; v1(26.935,18.675) 27.125,18.865 27.125,19.674 ; v1(29.266,20.34) 29.107,20.5 28.75,20.5 28.4,20.15 27.601,20.15 27.125,19.674
NetC57_2: C57.2 FR6.1 IC1.M4 | length 1.5
  Top w0.3: FR6.1@32.427,16.065 32.427,16.199 32.773,16.545 C57.2@33.022,16.545 33.45,16.545 33.582,16.677 v1(33.596,16.677)
NetC58_1: C58.1 FR5.1 IC1.AL21 | length 0.9
  Top w0.3: v1(27.934,10.35) 27.934,10.364 28.026,10.456 C58.1@28.026,10.675 FR5.1@28.025,11.22 FR5.1@28.025,11.22
NetC65_1: C65.1 IC1.G5 R66.1 | length 18.3
  Top w0.3: v1(33.263,18.342) 33.276,18.342 33.389,18.455 C65.1@33.475,18.455
  L3 w0.11: 32.658,18.342 v1@33.182,18.342
  L3 w0.3: v1(23.75,8.025) 24.175,8.45 29.3,8.45 32.45,11.6 32.45,18.15 32.65,18.35
  Bottom w0.3: R66.1@23.4,7.731 23.694,8.025 v1(23.75,8.025)
NetC66_1: C66.1 FR10.1 IC1.P4 | length 2.1
  Top w0.35: FR10.1@32.484,14.875 32.759,15.15 33.232,15.15 C66.1@33.824,15.742 33.824,15.782 v1(33.596,16.011)
NetC67_1: C67.1 FR21.1 IC1.D6 IC1.F8 | length 1.8
  Top w0.3: v1(32.264,18.675) 32.264,18.681 FR21.1@32.899,19.317
  Bottom w0.3: v1(32.264,18.675) IC1.D6@32.93,19.341
NetC68_1: C68.1 FR20.1 IC1.B16 | length 2.9
  Top w0.3: v1(29.599,20.007) 29.992,20.4 30.288,20.4 30.509,20.621 30.509,21.404 C68.1@30.7,21.595 FR20.1@31.425,21.595
NetC69_1: C69.1 C70.1 FR19.1 IC1.E19 | length 2
  Top w0.11: 28.6,18.45 v1(28.6,19.008)
  Top w0.2: C69.1@28.6,18.155 28.6,18.18 28.6,18.45
  Top w0.3: FR19.1@28.575,17.055 28.575,17.628 C69.1@28.575,18.155
NetC71_2: C71.2 FR18.1 IC1.F20 | length 1
  Top w0.3: FR18.1@27.98,17.825 C71.2@27.98,18.475 28.067,18.475 v1(28.267,18.675)
NetC72_1: C72.1 FR17.1 IC1.AJ25 | length 0.7
  Top w0.3: C72.1@26.724,10.888 27.056,11.22 FR17.1@27.275,11.22
  other v1: 26.602,11.016
NetC73_1: C73.1 IC1.AP26 R67.1 | length 2.5
  Bottom w0.3: R67.1@24.875,7.73 C73.1@24.875,8.4 24.875,8.539 25.161,8.825 25.696,8.825 26.212,9.341 26.26,9.341 IC1.AP26@26.269,9.351
NetC74_1: C74.1 FR15.1 IC1.AN23 | length 2.6
  Bottom w0.3: FR15.1@25.97,7.73 25.975,7.73 C74.1@25.975,8.4 25.975,8.539 26.261,8.825 26.409,8.825 IC1.AN23@27.268,9.684
NetC75_1: C75.1 FR14.1 IC1.AM20 | length 2.8
  Bottom w0.3: FR14.1@27.075,7.73 C75.1@27.075,8.4 27.075,8.825 IC1.AM20@28.267,10.017
NetC76_1: C76.1 FR13.1 IC1.AL19 | length 3.6
  Bottom w0.3: IC1.AL19@28.6,10.35 28.614,10.35 28.706,10.442 29.158,10.442 29.795,9.805 C76.1@29.795,8.4 FR13.1@29.795,7.73
NetC77_1: C77.1 FR12.1 IC1.AG5 | length 1.1
  Top w0.35: FR12.1@32.53,11.525 33.105,11.525 v1(33.263,11.682) C77.1@33.445,11.5
NetC78_2: C78.2 FR11.1 IC1.AD6 | length 2.1
  Top w0.3: FR11.1@31.88,12.875 C78.2@31.88,13.525
  Top w0.35: 31.905,13.2 31.905,12.875 32.556,12.875 32.75,12.681 v1(32.93,12.681)
NetC79_1: C79.1 FR9.1 IC1.J3 | length 1.6
  Top w0.11: v1(33.929,17.676) 34.629,17.676 C79.1@34.63,17.675
  Top w0.3: C79.1@34.725,17.58 34.87,17.58 35.285,17.165 FR9.1@35.428,17.165
NetC80_2: C80.2 FR8.1 IC1.J5 IC1.K6 | length 1.9
  Top w0.3: FR8.1@31.772,17.27 32.03,17.27 32.265,17.035 C80.2@32.422,17.035 32.621,17.035 v1(32.93,17.343)
  Bottom w0.25: v1(32.93,17.343) IC1.J5@33.263,17.676
NetC81_2: C81.2 FR16.1 R66.2 R67.2 | length 2.2
  Bottom w0.3: R66.2@23.4,7.171 R66.2@23.425,7.171 ; R66.2@23.426,7.17 C81.2@24.175,7.17 R67.2@24.875,7.17 24.9,7.17 24.9,7.145 25.145,6.9 FR16.1@25.145,6.575
NetC82_1: C82.1 FR22.1 IC1.K2 IC1.L5 | length 3.8
  L4 w0.11: v1(33.263,17.01) 33.596,17.343 v1(34.262,17.343)
  Bottom w0.3: v1(34.262,17.343) 34.422,17.183 35.192,17.183 35.53,16.845 C82.1@36,16.845 36.375,16.845 36.6,16.62 36.625,16.62 FR22.1@36.625,16.595
NetC83_1: C83.1 C84.1 FR25.1 IC1.C21 | length 1.7
  Top w0.3: v1@27.909,19.674 C83.1@27.909,19.975 C84.1@27.909,20.625 FR25.1@27.909,21.375
  other v1: 27.934,19.674
NetC85_1: C85.1 C86.1 C87.1 FR24.1 IC1.AD4 IC1.AF2 IC1.AF6 | length 6
  Top w0.2: C85.1@32.477,12.24 32.477,12.215 32.527,12.165 32.552,12.165 32.68,12.037 32.907,12.037 v1(32.93,12.015) 33.165,12.25 33.35,12.25 ; C86.1@33.05,13.525 33.05,13.245 33.596,12.699 v1(33.596,12.681) 33.35,12.436 33.35,12.25 ; v1(34.262,12.015) 34.233,11.986 34.127,11.986 34.113,11.973 33.627,11.973 33.35,12.25
  Bottom w0.11: v1(34.262,12.015) 34.766,12.015
  Bottom w0.15: 34.766,12.015 C87.1@35.845,12.015
  Bottom w0.3: C87.1@35.845,12.015 FR24.1@35.845,12.75
NetC88_1: C88.1 FR23.1 IC1.AN17 | length 2.1
  Bottom w0.3: FR23.1@29,7.73 29.266,7.996 C88.1@29.266,8.4 IC1.AN17@29.266,9.684
NetC89_1: C89.1 IC1.D24 R68.1 | length 3.5
  Bottom w0.11: IC1.D24@26.935,19.341 26.935,19.915
  Bottom w0.22: R68.1@25.575,22.17 25.755,21.99 C89.1@25.755,21.45 25.755,20.87 26.55,20.075 26.775,20.075 26.935,19.915